# Altium PCB Rear Power Distibution.PcbDoc (part 1 of 3) (continued)
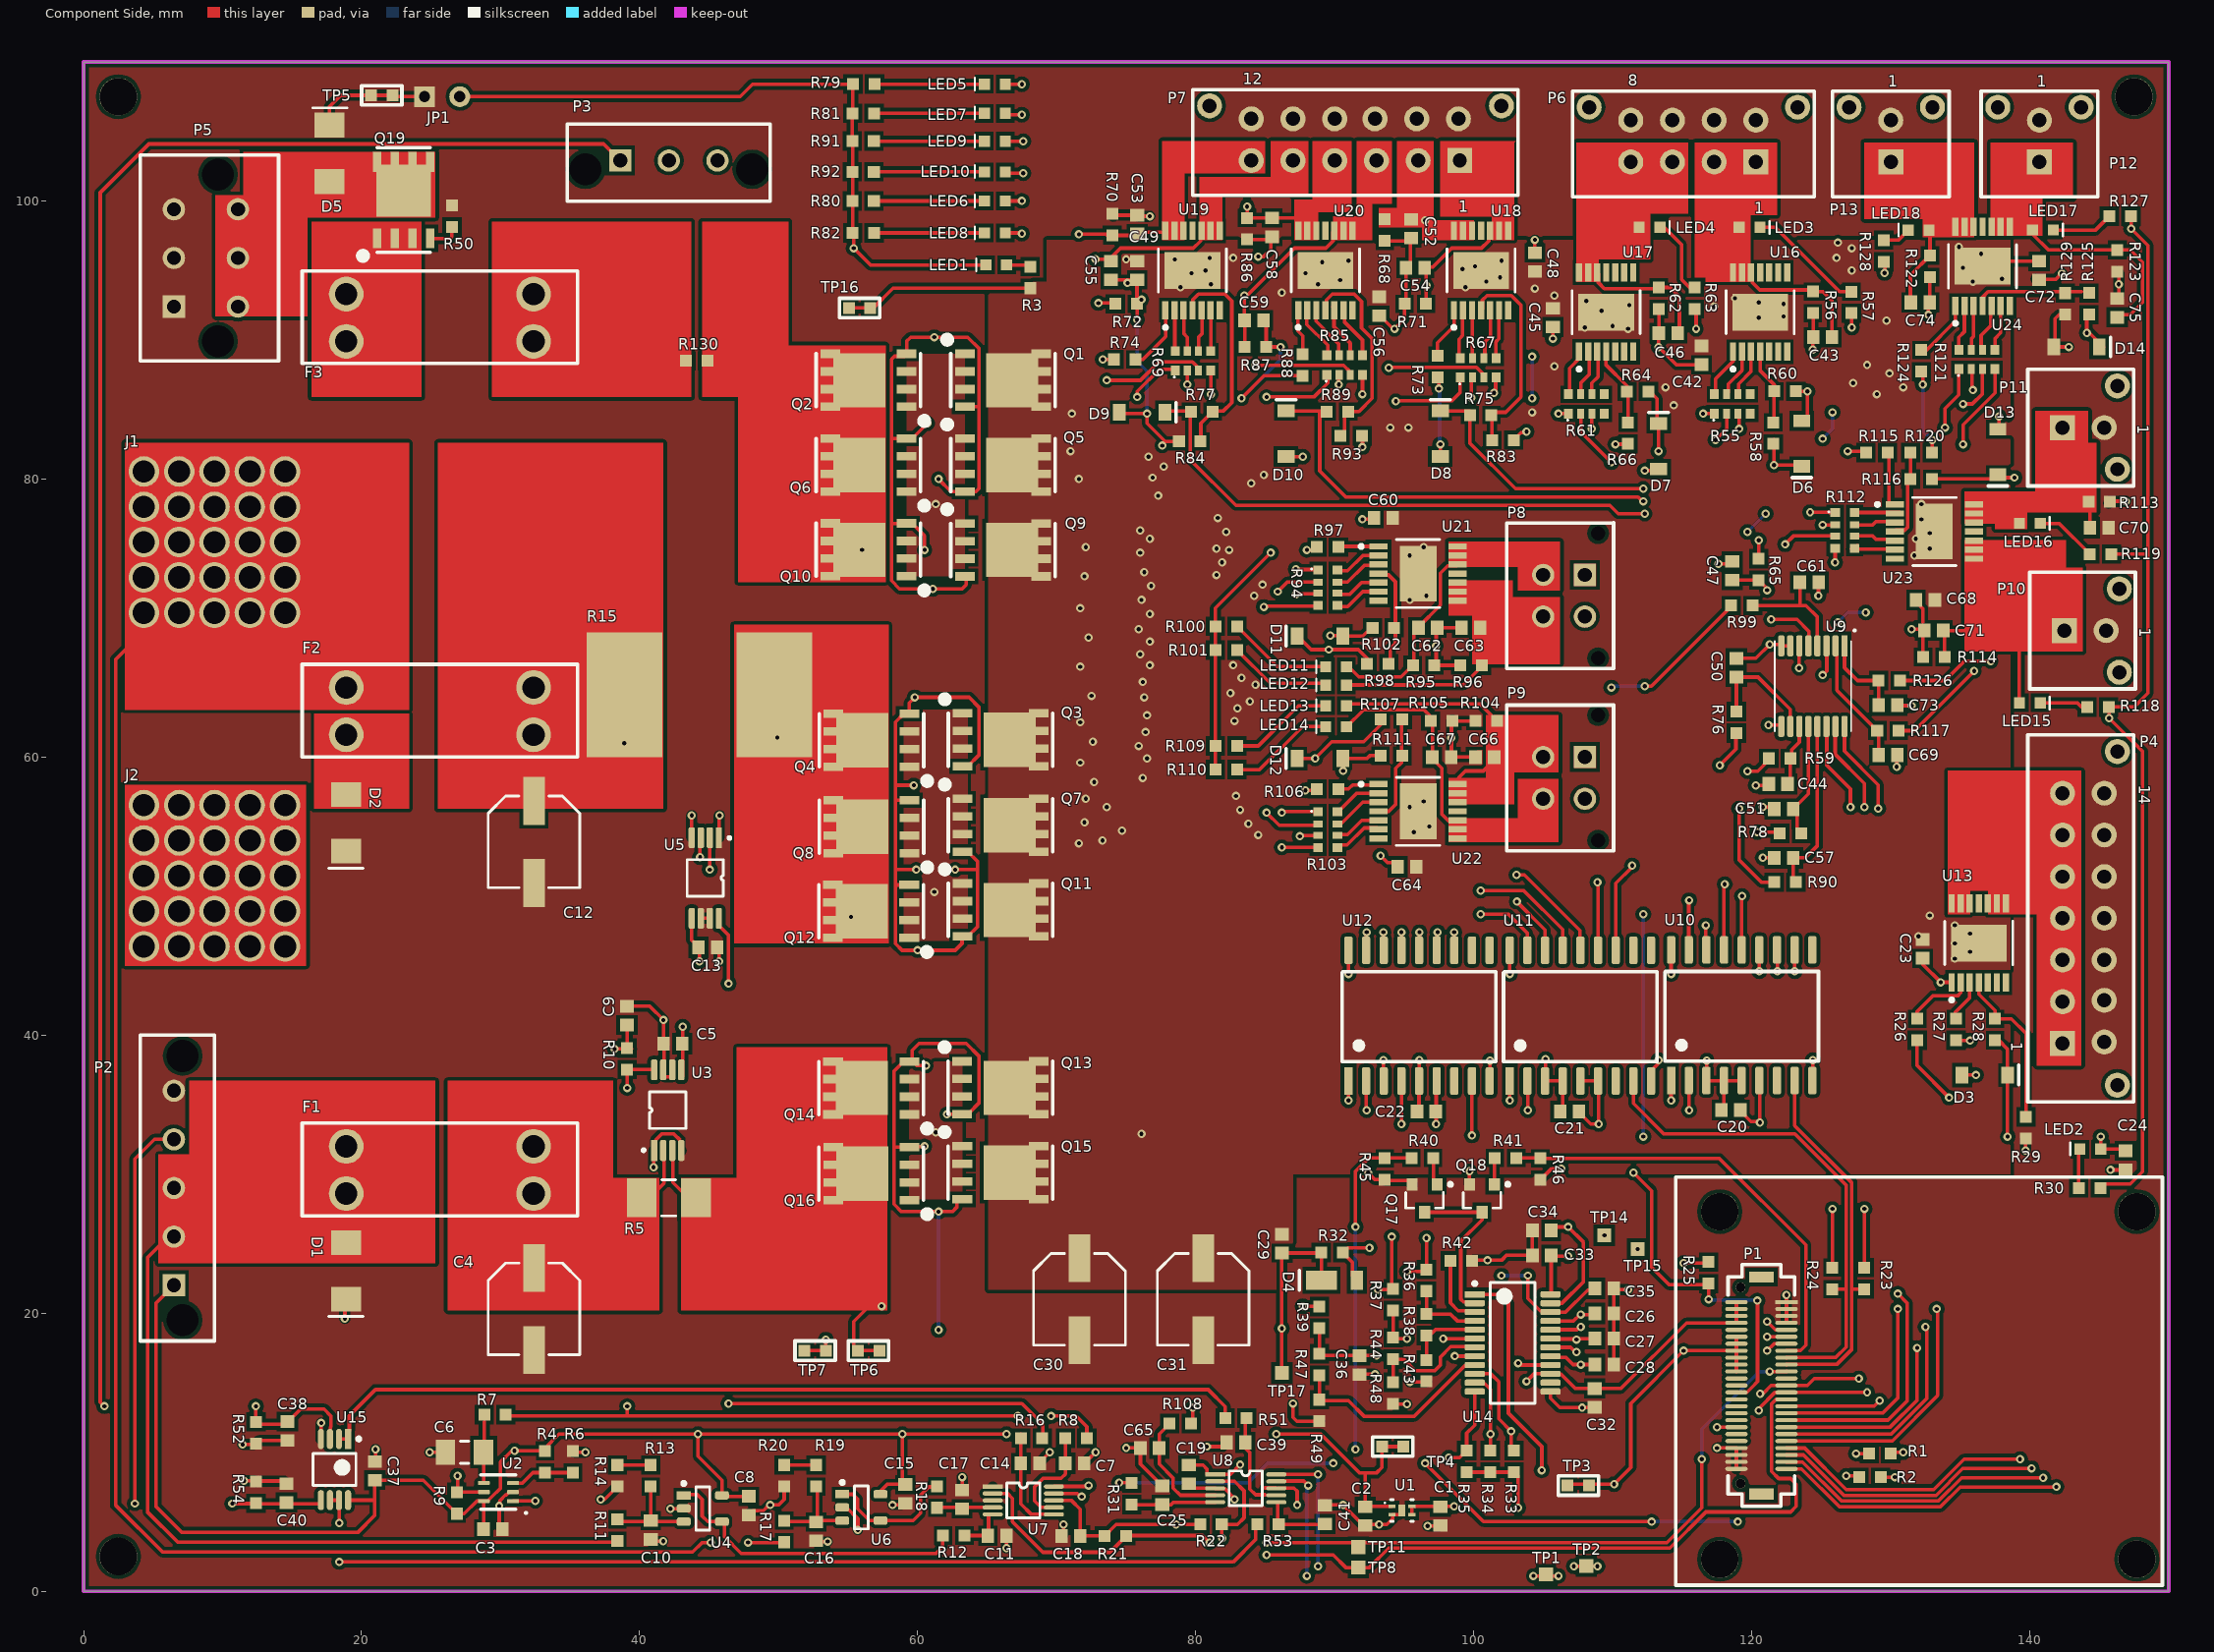
[diagram p0: Component Side view]
## Components (designator, comment, footprint, x,y, rotation, side; value= is the part's Value field where it differs from the comment) (continued)
R58 "RES 4.7K OHM 1% 1/10W 0603" "RES, 0603" 121.546,83.3 r270 top
R59 "RES 4.7K OHM 1% 1/10W 0603" "RES, 0603" 122,59.9 r180 top
R60 "RES 1.21K OHM 1% 1/10W 0603" "RES, 0603" 122.4,86.306 r0 top
R61 "RES ARRAY 4 RES 4.7K OHM 1206" "RES ARRAY 4RES 1206" 108.1,85.4 r90 top
R62 "RES 47K OHM 1% 1/10W 0603" "RES, 0603" 113.309,93.004 r270 top
R63 "RES 10K OHM 1% 1/10W 0603" "RES, 0603" 115.9,93 r270 top
R64 "RES 4.7K OHM 1% 1/10W 0603" "RES, 0603" 111.8,86.3 r0 top
R65 "RES 4.7K OHM 1% 1/10W 0603" "RES, 0603" 120.5,73.5 r90 top
R66 "RES 1.21K OHM 1% 1/10W 0603" "RES, 0603" 111.1,83.3 r270 top
R67 "RES ARRAY 4 RES 4.7K OHM 1206" "RES ARRAY 4RES 1206" 100.329,88 r90 top
R68 "RES 47K OHM 1% 1/10W 0603" "RES, 0603" 93.6,97.9 r270 top
R69 "RES ARRAY 4 RES 4.7K OHM 1206" "RES ARRAY 4RES 1206" 79.8,88.5 r90 top
R70 "RES 47K OHM 1% 1/10W 0603" "RES, 0603" 74,98.304 r90 top
R71 "RES 47K OHM 1% 1/10W 0603" "RES, 0603" 95.8,92.6 r180 top
R72 "RES 47K OHM 1% 1/10W 0603" "RES, 0603" 75,92.6 r0 top
R73 "RES 47K OHM 1% 1/10W 0603" "RES, 0603" 97.4,88.1 r270 top
R74 "RES 47K OHM 1% 1/10W 0603" "RES, 0603" 74.9,88.6 r180 top
R75 "RES 4.7K OHM 1% 1/10W 0603" "RES, 0603" 100.5,84.6 r0 top
R76 "RES 4.7K OHM 1% 1/10W 0603" "RES, 0603" 118.9,62.5 r270 top
R77 "RES 4.7K OHM 1% 1/10W 0603" "RES, 0603" 80.446,84.85 r0 top
R78 "RES 4.7K OHM 1% 1/10W 0603" "RES, 0603" 122.8,54.509 r180 top
R79 "RES 10K OHM 1% 1/10W 0603" "RES, 0603" 56.125,108.41 r180 top
R80 "RES 10K OHM 1% 1/10W 0603" "RES, 0603" 56.075,100 r180 top
R81 "RES 10K OHM 1% 1/10W 0603" "RES, 0603" 56.1,106.3 r180 top
R82 "RES 10K OHM 1% 1/10W 0603" "RES, 0603" 56.1,97.7 r180 top
R83 "RES 1.21K OHM 1% 1/10W 0603" "RES, 0603" 102.1,82.8 r0 top
R84 "RES 1.21K OHM 1% 1/10W 0603" "RES, 0603" 79.575,82.7 r180 top
R85 "RES ARRAY 4 RES 4.7K OHM 1206" "RES ARRAY 4RES 1206" 90.72,88.2 r90 top
R86 "RES 47K OHM 1% 1/10W 0603" "RES, 0603" 83.7,98 r270 top
R87 "RES 47K OHM 1% 1/10W 0603" "RES, 0603" 84.3,89.5 r0 top
R88 "RES 47K OHM 1% 1/10W 0603" "RES, 0603" 87.7,88.2 r270 top
R89 "RES 4.7K OHM 1% 1/10W 0603" "RES, 0603" 90.2,84.85 r0 top
R90 "RES 4.7K OHM 1% 1/10W 0603" "RES, 0603" 122.4,51 r180 top
R91 "RES 10K OHM 1% 1/10W 0603" "RES, 0603" 56.075,104.31 r180 top
R92 "RES 10K OHM 1% 1/10W 0603" "RES, 0603" 56.075,102.1 r180 top
R93 "RES 1.21K OHM 1% 1/10W 0603" "RES, 0603" 91.2,83.1 r0 top
R94 "RES ARRAY 4 RES 4.7K OHM 1206" "RES ARRAY 4RES 1206" 89.5,72.179 r0 top
R95 "RES 47K OHM 1% 1/10W 0603" "RES, 0603" 96.4,66.6 r0 top
R96 "RES 47K OHM 1% 1/10W 0603" "RES, 0603" 99.8,66.6 r180 top
R97 "RES 47K OHM 1% 1/10W 0603" "RES, 0603" 89.5,75.109 r180 top
R98 "RES 4.7K OHM 1% 1/10W 0603" "RES, 0603" 93.11,66.7 r0 top
R99 "RES 4.7K OHM 1% 1/10W 0603" "RES, 0603" 119.3,70.9 r180 top
R100 "RES 10K OHM 1% 1/10W 0603" "RES, 0603" 82.2,69.404 r180 top
R101 "RES 10K OHM 1% 1/10W 0603" "RES, 0603" 82.2,67.7 r180 top
R102 "RES 1.21K OHM 1% 1/10W 0603" "RES, 0603" 93.5,69.3 r180 top
R103 "RES ARRAY 4 RES 4.7K OHM 1206" "RES ARRAY 4RES 1206" 89.5,54.771 r0 top
R104 "RES 47K OHM 1% 1/10W 0603" "RES, 0603" 100.9,62.6 r180 top
R105 "RES 47K OHM 1% 1/10W 0603" "RES, 0603" 97.696,62.6 r0 top
R106 "RES 47K OHM 1% 1/10W 0603" "RES, 0603" 89.5,57.7 r180 top
R107 "RES 4.7K OHM 1% 1/10W 0603" "RES, 0603" 94.1,62.7 r0 top
R108 "RES 4.7K OHM 1% 1/10W 0603" "RES, 0603" 78.9,12.054 r0 top
R109 "RES 10K OHM 1% 1/10W 0603" "RES, 0603" 82.2,60.804 r180 top
R110 "RES 10K OHM 1% 1/10W 0603" "RES, 0603" 82.2,59.1 r180 top
R111 "RES 1.21K OHM 1% 1/10W 0603" "RES, 0603" 94.075,60.1 r180 top
R112 "RES ARRAY 4 RES 4.7K OHM 1206" "RES ARRAY 4RES 1206" 126.7,76.3 r0 top
R113 "RES 47K OHM 1% 1/10W 0603" "RES, 0603" 145,78.358 r0 top
R114 "RES 47K OHM 1% 1/10W 0603" "RES, 0603" 133.1,67.2 r180 top
R115 "RES 47K OHM 1% 1/10W 0603" "RES, 0603" 128.996,81.9 r180 top
R116 "RES 4.7K OHM 1% 1/10W 0603" "RES, 0603" 132.2,80 r180 top
R117 "RES 4.7K OHM 1% 1/10W 0603" "RES, 0603" 129.8,61.9 r0 top
R118 "RES 10K OHM 1% 1/10W 0603" "RES, 0603" 144.9,63.6 r0 top
R119 "RES 10K OHM 1% 1/10W 0603" "RES, 0603" 145.1,74.6 r0 top
R120 "RES 1.21K OHM 1% 1/10W 0603" "RES, 0603" 132.2,81.9 r0 top
R121 "RES ARRAY 4 RES 4.7K OHM 1206" "RES ARRAY 4RES 1206" 136.2,88.6 r90 top
R122 "RES 47K OHM 1% 1/10W 0603" "RES, 0603" 132.825,95.295 r270 top
R123 "RES 47K OHM 1% 1/10W 0603" "RES, 0603" 146.3,95.7 r270 top
R124 "RES 47K OHM 1% 1/10W 0603" "RES, 0603" 132.2,88.5 r270 top
R125 "RES 4.7K OHM 1% 1/10W 0603" "RES, 0603" 144.259,92.6 r90 top
R126 "RES 4.7K OHM 1% 1/10W 0603" "RES, 0603" 129.9,65.496 r0 top
R127 "RES 10K OHM 1% 1/10W 0603" "RES, 0603" 146.5,98.9 r0 top
R128 "RES 10K OHM 1% 1/10W 0603" "RES, 0603" 129.5,96.4 r270 top
R129 "RES 1.21K OHM 1% 1/10W 0603" "RES, 0603" 142.554,92.596 r270 top
R130 "RES 0.0 OHM 1/4W 0603" "RES, 0603" 44.1,88.5 r0 top
TP1 "Test Point" "Test Point" 105.2,1.2 r90 top
TP2 "Test Point" "Test Point" 108.1,1.8 r90 top
TP3 "Test Point 0603 SMD" "TEST POINT 0603 SMD" 108.3,7.6 r180 top
TP4 "Test Point 0603 SMD" "TEST POINT 0603 SMD" 93.4,10.4 r0 top
TP5 "Test Point 0603 SMD" "TEST POINT 0603 SMD" 22.226,107.6 r180 top
TP6 "Test Point 0603 SMD" "TEST POINT 0603 SMD" 57.25,17.3 r180 top
TP7 "Test Point 0603 SMD" "TEST POINT 0603 SMD" 53.4,17.3 r180 top
TP8 "Test Point" "Test Point" 91.7,1.712 r90 top
TP11 "Test Point" "Test Point" 91.7,3.169 r90 top
TP14 "Test Point" "Test Point" 109.4,25.6 r90 top
TP15 "Test Point" "Test Point" 111.8,24.6 r90 top
TP16 "Test Point 0603 SMD" "TEST POINT 0603 SMD" 56.6,92.3 r180 top
TP17 "Test Point" "Test Point" 86.2,15.7 r90 top
U1 "IC REG LDO 3V 0.2A 4-TDFN" "IC REG LDO 3V 0.2A 4-TDFN" 94.114,6.1 r270 top
U2 "IC COMP TTL/CMOS 1CHAN SC70-6" "6-Lead Plastic SC70" 29.844,7.131 r90 top
U3 "50V/V" "IC CURRENT AMPLIFIER INA240 TSSOP-8" 41.05,31.7 r90 top
U4 "IC OP AMP GEN PURPOSE RR 10MHZ SOT-23-5" "IC OP AMP GP RR 10MHZ SOT-23-5" 44.55,5.95 r0 top
U5 "100V/V" "IC CURRENT AMPLIFIER INA240 TSSOP-8" 45.7,54.2 r270 top
U6 "IC OP AMP GEN PURPOSE RR 10MHZ SOT-23-5" "IC OP AMP GP RR 10MHZ SOT-23-5" 55.954,6.025 r0 top
U7 "Quad ADC" "IC ADC VSSOP10" 65.402,7.527 r0 top
U8 "Quad ADC" "IC ADC VSSOP10" 81.4,8.4 r0 top
U9 "IC MUX/DMUX 8X1 16TSSOP" 16-TSSOP 124.4,65.1 r180 top
U10 "MCP23008" "IC 18SOIC" 114.2,36.731 r0 top
U11 "MCP23008" "IC 18SOIC" 102.594,36.7 r0 top
U12 "MCP23008" "IC 18SOIC" 90.988,36.7 r0 top
U13 "IC LOAD SWITCH BTS70041EPPXUMA1CT-ND_1" "IC LOAD SWITCH PG-TSDSO-14-22" 136.331,46.627 r90 top
U14 "IC OR CONTROLLER SOURCE SELECT 24SSOP" "IC OR CTRLR SRC SELECT 24SSOP" 102.8,17.857 r0 top
U15 "IC OP AMP DUAL GP RR 10MHZ 8-VSSOP" "IC DUAL OPAMP OPA2197 8-VSSOP" 18.05,8.75 r270 top
U16 "IC LOAD SWITCH BTS70401EPA PG-TSDSO-14-22" "IC LOAD SWITCH PG-TSDSO-14-22" 120.6,92 r90 top
U17 "IC LOAD SWITCH BTS70401EPA PG-TSDSO-14-22" "IC LOAD SWITCH PG-TSDSO-14-22" 109.529,92 r90 top
U18 "IC LOAD SWITCH BTS7200-2EPA PG-TSDSO-14_1" "IC LOAD SWITCH PG-TSDSO-14-22" 100.529,95 r90 top
U19 "IC LOAD SWITCH BTS7200-2EPA PG-TSDSO-14_1" "IC LOAD SWITCH PG-TSDSO-14-22" 79.771,95 r90 top
U20 "IC LOAD SWITCH BTS7200-2EPA PG-TSDSO-14_1" "IC LOAD SWITCH PG-TSDSO-14-22" 89.329,95 r90 top
U21 "IC LOAD SWITCH BTS7200-2EPA PG-TSDSO-14_1" "IC LOAD SWITCH PG-TSDSO-14-22" 96,73.2 r0 top
U22 "IC LOAD SWITCH BTS7200-2EPA PG-TSDSO-14_1" "IC LOAD SWITCH PG-TSDSO-14-22" 96,56.1 r0 top
U23 "IC LOAD SWITCH BTS7200-2EPA PG-TSDSO-14_1" "IC LOAD SWITCH PG-TSDSO-14-22" 133.139,76.221 r0 top
U24 "IC LOAD SWITCH BTS7200-2EPA PG-TSDSO-14_1" "IC LOAD SWITCH PG-TSDSO-14-22" 136.604,95.3 r90 top

## Footprints (in the part's own frame and the unit in brackets; to place one, negate y for a bottom-side part, rotate by r counter-clockwise, add the part's x,y. Pads: shape width x height; smd on the part's side, far side on the other; paste and mask are expansions set on the pad)
"6-Lead Plastic SC70" [mm]
  rect 0.3x0.85 smd: 1(-0.65,-1.05)
  rrect50% 0.3x0.85 smd: 2(0,-1.05) 3(0.65,-1.05) 4(0.65,1.05) 5(0,1.05) 6(-0.65,1.05)
  silkscreen extent -1.52,-2 1.25,1.25, body extent -1.1,-1.19 1.11,1.19, height 1.09
16-TSSOP [mm]
  rect 0.45x1.5 smd: 1(-2.275,-2.9)
  rrect50% 0.45x1.5 smd: 2(-1.625,-2.9) 3(-0.975,-2.9) 4(-0.325,-2.9) 5(0.325,-2.9) 6(0.975,-2.9) 7(1.625,-2.9) 8(2.275,-2.9) 9(-2.275,2.9) 10(-1.625,2.9) 11(-0.975,2.9) 12(-0.325,2.9) 13(0.325,2.9) 14(0.975,2.9) 15(1.625,2.9) 16(2.275,2.9)
  silkscreen extent -3.07,-4.07 2.75,3.25, body extent -2.55,-3.3 2.55,3.3, height 1.2
"CAP ALUM 6.3MM RADIAL SMD" [mm] "Aluminum Electrolytic Capacitor, Body 6.50x6.50x5.50mm, IPC Low Density"
  rect 3.45x1.55 smd: 1(-2.95,0) 2(2.95,0)
  silkscreen extent -3.3,-3.3 3.3,3.3, body extent -3.9,-3.3 3.9,3.3, height 5.5
"CAP, 0603" [mm] "Chip Capacitor, 2-Leads, Body 1.60x0.81mm, IPC Medium Density"
  rect 0.9x1 smd mask+0.076: 1(-0.675,0) 2(0.675,0)
  body extent -0.87,-0.48 0.87,0.48, height 0.9
"CAP, 1206" [mm] "Chip Capacitor, 2-Leads, Body 3.20x1.60mm, IPC Medium Density"
  rect 1.4x1.8 smd: 1(-1.375,0) 2(1.375,0)
  silkscreen extent -0.3,-0.8 0.3,0.8, body extent -1.68,-0.87 1.67,0.87, height 1.8
"CONN 4POS MICROFIT (2x2)" [mm]
  round 1.6 hole 1.02: 1(0,0) 2(-3,0) 3(0,3)
  rect 1.6x1.6 hole 1.02: 4(-3,3)
  round 0 hole 1.02: ""(-6,3.94) ""(3,3.94)
  silkscreen extent -6.75,-2.63 3.75,5.06, body extent -6.57,-2.47 3.57,6.29, height 9.91
"CONN, 2POS JUMPER 0.1\"" [mm]
  rect 1.5x1.5 hole 0.8: 1(0,0)
  round 1.5 hole 0.8: 2(2.54,0)
  body extent -1.24,-1.27 3.84,1.27, height 9.25
"CONN, 2POS MICRO-FIT" [mm]
  round 1.8 hole 1.02: 0(-3,3.94) 0(3,3.94) 2(0,3)
  rect 1.8x1.8 hole 1.02: 1(0,0)
  silkscreen extent -4.2,-2.5 4.2,5.1, body extent -3.57,-2.47 3.58,6.3, height 9.95
"CONN, 3POS ULTRA-FIT" [mm]
  rect 1.6x1.6 hole 1.02: 1(0,0)
  round 1.6 hole 1.02: 2(3.5,0) 3(7,0)
  round 0 hole 2.3: ""(-2.5,-0.63) ""(9.5,-0.63)
  silkscreen extent -3.8,-2.93 10.8,2.62, body extent -3.55,-2.67 10.55,5.99, height 13.85
"CONN, 5POS ULTRA-FIT" [mm]
  rect 1.6x1.6 hole 1.02: 1(0,0)
  round 1.6 hole 1.02: 2(3.5,0) 3(7,0) 4(10.5,0) 5(14,0)
  round 0 hole 2.3: ""(-2.5,-0.63) ""(16.5,-0.63)
  silkscreen extent -4,-2.93 18,2.42, body extent -3.56,-2.84 17.54,5.82, height 13.85
"CONN, 6POS ULTRA-FIT" [mm]
  rect 1.6x1.6 hole 1.02: 1(0,0)
  round 1.6 hole 1.02: 2(3.5,0) 3(7,0) 4(0,-4.6) 5(3.5,-4.6) 6(7,-4.6)
  round 0 hole 2.3: ""(-2.5,-3.18) ""(9.5,-3.18)
  silkscreen extent -3.9,-7.53 10.9,2.42, body extent -3.55,-8.25 10.55,5.66, height 13.9
"CONN, 8POS MICRO-FIT" [mm]
  round 1.8 hole 1.02: 0(-12,3.94) 0(3,3.94) 2(-3,0) 3(-6,0) 4(-9,0) 5(0,3) 6(-3,3) 7(-6,3) 8(-9,3)
  rect 1.8x1.8 hole 1.02: 1(0,0)
  silkscreen extent -13.2,-2.5 4.2,5.1, body extent -12.65,-2.48 3.5,6.29, height 9.95
"CONN, 12POS MICRO-FIT 3mm" [mm]
  round 1.8 hole 1.02: 0(-18,3.94) 0(3,3.94) 2(-3,0) 3(-6,0) 4(-9,0) 5(-12,0) 6(-15,0) 7(-0.1,3) 8(-3.1,3) 9(-6.1,3) 10(-9,3) 11(-12,3) 12(-15,3)
  rect 1.8x1.8 hole 1.02: 1(0,0)
  silkscreen extent -19.2,-2.5 4.2,5.1, body extent -18.57,-2.5 3.58,6.27, height 9.95
"CONN, 14POS MICRO-FIT 3mm" [mm]
  round 1.8 hole 1.02: 0(-21,3.94) 0(3,3.94) 2(-3,0) 3(-6,0) 4(-9,0) 5(-12,0) 6(-15,0) 7(-18,0) 8(-0.1,3) 9(-3.1,3) 10(-6,3) 11(-9,3) 12(-12,3) 13(-15,3) 14(-18,3)
  rect 1.8x1.8 hole 1.02: 1(0,0)
  silkscreen extent -22.2,-2.5 4.2,5.1, body extent -21.75,-2.48 3.4,6.28, height 9.95
"CONN, Bergstak 50 Pos Plug" [mm] "Bergstak 50 Position Plug"
  rect 1.6x0.3 smd: 1(1.8,6)
  oval 1.6x0.3 smd: 2(1.8,5.5) 3(1.8,5) 4(1.8,4.5) 5(1.8,4) 6(1.8,3.5) 7(1.8,3) 8(1.8,2.5) 9(1.8,2) 10(1.8,1.5) 11(1.8,1) 12(1.8,0.5) 13(1.8,0) 14(1.8,-0.5) 15(1.8,-1) 16(1.8,-1.5) 17(1.8,-2) 18(1.8,-2.5) 19(1.8,-3) 20(1.8,-3.5) 21(1.8,-4) 22(1.8,-4.5) 23(1.8,-5) 24(1.8,-5.5) 25(1.8,-6) 26(-1.8,-6) 27(-1.8,-5.5) 28(-1.8,-5) 29(-1.8,-4.5) 30(-1.8,-4) 31(-1.8,-3.5) 32(-1.8,-3) 33(-1.8,-2.5) 34(-1.8,-2) 35(-1.8,-1.5) 36(-1.8,-1) 37(-1.8,-0.5) 38(-1.8,0) 39(-1.8,0.5) 40(-1.8,1) 41(-1.8,1.5) 42(-1.8,2) 43(-1.8,2.5) 44(-1.8,3) 45(-1.8,3.5) 46(-1.8,4) 47(-1.8,4.5) 48(-1.8,5) 49(-1.8,5.5) 50(-1.8,6)
  round 0.7 hole 0.7: ""(-1.5,-7.05) ""(-1.5,7.05)
  rect 1.8x0.8 smd: ""(0,-7.8) ""(0,7.8)
  silkscreen extent -2.4,-8.7 2.4,8.7, body extent -2.3,-7.75 2.3,7.75, height 4.2
"DIODE SCHOTTKY 30V 1A POWERDI123" [mm] "Diodes Incorporated DFLS130L-7"
  rect 0.9x1.4 smd: 1(0,0)
  rect 2.2x1.4 smd: 2(2.55,0)
  silkscreen extent 4.15,-0.7 4.15,0.7, body extent -0.27,-0.88 3.42,0.9, height 0.98
"DIODE SOD123" [mm]
  rect 0.91x1.22 smd: 1(0,0) 2(3.28,0)
  silkscreen extent -0.8,-0.7 -0.8,0.7, body extent -0.22,-0.9 3.49,0.9, height 1.35
"DO-214AA Diode" [mil] "Zener Diode 16V 5W SMBJ5353B-TP"
  rect 70x85 smd: 1(0,0) 2(160,0)
  silkscreen extent 209,-50 209,47, body extent -21,-60 187,55, height 95
"FUSE ATO/ATC FUSE HOLDER" [mm]
  round 2.5 hole 1.6: 1(0,0) 2(13.47,0) 3(0,-3.4) 4(13.47,-3.4)
  silkscreen extent -3.18,-4.99 16.64,1.67, body extent -3.23,-4.98 16.58,1.75, height 19.1
"IC 18SOIC" [mm]
  rect 0.6x2 smd: 1(0,0)
  rrect50% 0.6x2 smd: 2(1.27,0) 3(2.54,0) 4(3.81,0) 5(5.08,0) 6(6.35,0) 7(7.62,0) 8(8.89,0) 9(10.16,0) 10(10.16,9.4) 11(8.89,9.4) 12(7.62,9.4) 13(6.35,9.4) 14(5.08,9.4) 15(3.81,9.4) 16(2.54,9.4) 17(1.27,9.4) 18(0,9.4)
  silkscreen extent -0.45,1.4 10.6,7.85, body extent -0.62,-0.38 10.72,9.78, height 2
"IC ADC VSSOP10" [mm]
  rect 1.45x0.3 smd: 1(0,0)
  oval 1.45x0.3 smd: 2(0,-0.5) 3(0,-1) 4(0,-1.5) 5(0,-2) 6(4.4,-2) 7(4.4,-1.5) 8(4.4,-1) 9(4.4,-0.5) 10(4.4,0)
  silkscreen extent 1,-2.25 3.4,0.25, body extent -0.25,-2.5 4.65,0.5, height 1.15
"IC CURRENT AMPLIFIER INA240 TSSOP-8" [mm]
  rect 1.5x0.45 smd: 1(0,0)
  rrect50% 1.5x0.45 smd: 2(0,-0.65) 3(0,-1.3) 4(0,-1.95) 5(5.8,-1.95) 6(5.8,-1.3) 7(5.8,-0.65) 8(5.8,0)
  silkscreen extent -0.06,-2.28 4.22,0.84, body extent -0.28,-2.52 6.22,0.58, height 1.2
"IC DUAL OPAMP OPA2197 8-VSSOP" [mm] "TSOP, 8-Leads, Body 3.00x3.00mm, Pitch 0.65mm, IPC Medium Density"
  rect 1.45x0.45 smd: 1(-2.2,0.975)
  oval 1.45x0.45 smd: 2(-2.2,0.325) 3(-2.2,-0.325) 4(-2.2,-0.975) 5(2.2,-0.975) 6(2.2,-0.325) 7(2.2,0.325) 8(2.2,0.975)
  silkscreen extent -2.32,-1.55 1.15,1.88, body extent -2.45,-1.55 2.45,1.55, height 1.1
"IC LOAD SWITCH PG-TSDSO-14-22" [mm] "SOP,0.65mm pitch;14 pin,3.90mm W X 4.90mm L X 1.15mm H body (w/thermal tab)"
  rect 1.31x0.45 smd paste+0 mask+0: 1(-2.85,1.95) 2(-2.85,1.3) 3(-2.85,0.65) 4(-2.85,0) 5(-2.85,-0.65) 6(-2.85,-1.3) 7(-2.85,-1.95) 8(2.85,-1.95) 9(2.85,-1.3) 10(2.85,-0.65) 11(2.85,0) 12(2.85,0.65) 13(2.85,1.3) 14(2.85,1.95)
  rect 2.65x4 smd paste-2.65 mask+0: 15(0,0)
  silkscreen extent -4.22,-2.45 1.55,2.45, body extent -3,-2.45 3,2.45, height 1.16
"IC OP AMP GP RR 10MHZ SOT-23-5" [mm] "SOT23, 5-Leads, Body 2.90x2.80mm, Pitch 0.95mm, IPC Medium Density"
  rect 1x0.6 smd: 1(-1.375,0.95)
  rrect50% 1x0.6 smd: 2(-1.375,0) 3(-1.375,-0.95) 4(1.375,-0.95) 5(1.375,0.95)
  silkscreen extent -1.5,-1.55 0.5,1.92, body extent -1.5,-1.53 1.5,1.53, height 1.45
"IC OR CTRLR SRC SELECT 24SSOP" [mm] "LTC4417"
  rect 1.45x0.45 smd: 1(-2.725,3.492)
  rrect50% 1.45x0.45 smd: 2(-2.725,2.857) 3(-2.725,2.222) 4(-2.725,1.587) 5(-2.725,0.953) 6(-2.725,0.318) 7(-2.725,-0.318) 8(-2.725,-0.953) 9(-2.725,-1.587) 10(-2.725,-2.222) 11(-2.725,-2.857) 12(-2.725,-3.492) 13(2.725,-3.492) 14(2.725,-2.857) 15(2.725,-2.222) 16(2.725,-1.587) 17(2.725,-0.953) 18(2.725,-0.318) 19(2.725,0.318) 20(2.725,0.953) 21(2.725,1.587) 22(2.725,2.222) 23(2.725,2.857) 24(2.725,3.492)
  silkscreen extent -2.85,-4.35 1.6,4.39, body extent -3,-4.35 3,4.35, height 1.75
"IC REG LDO 3V 0.2A 4-TDFN" [mm] "QFN, 4-Leads, Body 1.20x1.60mm, Pitch 0.50mm/1.40mm, Thermal Pad 0.86x0.50mm, IPC Medium Density"
  rect 0.25x0.5 smd: 1(0,0) 2(0.6,0) 3(0.6,1.44) 4(0,1.44)
  rect 0.86x0.5 smd: 5(0.3,0.715)
  silkscreen extent -0.48,-0.56 1.07,1.54, body extent -0.33,-0.11 0.92,1.54, height 0.6
LED_0603 [mm]
  rect 0.8x0.8 smd: 1(-0.05,0.01) 2(1.45,0.01)
  silkscreen extent 2.13,-0.46 2.13,0.45, body extent -0.09,-0.39 1.51,0.41, height 0.8
"MOSFET N-CH 30V 6.2A 0.9W SOT-23" [mm] "SOT23, 3-Leads, Body 2.90x2.40mm, Pitch 0.90mm, IPC Medium Density"
  rect 0.9x0.8 smd: 1(-1,0.9) 2(-1,-0.9) 3(1,0)
  silkscreen extent -1.12,-1.35 0.7,1.98, body extent -1.25,-1.5 1.25,1.5, height 1.1
"PMOS PWR56 40V 4.9 MOHM" [mm] "Mosfet Array 2 P-Channel (Dual) 30V 60A 46W Surface Mount PowerPAK?SO-8 Dual"
  rect 1.42x0.61 smd: 1(0,0) 2(0,-1.27) 3(0,-2.54) 4(0,-3.81) 5(5.49,-3.81) 6(5.49,-2.54) 7(5.49,-1.27) 8(5.49,0)
  rect 3.75x3.91 smd: 8(3.405,-1.905)
  silkscreen extent -1.52,-3.81 6.51,1.27, body extent -0.69,-4.32 6.17,0.51, height 1.2
"RES 2010" [mm] "Chip Resistor, 2-Leads, Body 5.08x2.54mm, IPC Medium Density"
  rect 2.15x2.8 smd: 1(-1.95,0) 2(1.95,0)
  silkscreen extent -0.5,-1.3 0.5,1.3, body extent -2.67,-1.4 2.67,1.4, height 1.04
"RES 5931" [mm]
  rect 5.45x9 smd: 1(0,0) 2(10.8,0)
  body extent -2.25,-4 12.75,3.75, height 0.77
"RES ARRAY 4RES 1206" [mm] "Chip Array, Flat, 8-Leads, Pitch 0.80mm,  Body 3.20x1.60mm,  IPC Medium Density"
  rect 0.7x0.64 smd: 1(-0.7,1.28) 4(-0.7,-1.28) 5(0.7,-1.28) 8(0.7,1.28)
  rect 0.7x0.5 smd: 2(-0.7,0.4) 3(-0.7,-0.4) 6(0.7,-0.4) 7(0.7,0.4)
  silkscreen extent -1.21,1.29 -1.11,1.39, body extent -0.81,-1.6 0.69,1.6, height 0.45
"RES, 0603" [mm] "Chip Resistor, 2-Leads, Body 1.60x0.80mm, IPC Medium Density"
  rect 0.85x0.85 smd: 1(-0.775,0) 2(0.775,0)
  body extent -0.8,-0.4 0.8,0.4, height 0.55
"TERM PWR ELEMENT M8 25 PIN PCB" [mm] "25 Pin Shank Terminal M8 Through Hole"
  round 2.2 hole 1.6: 1(-10.16,-7.62) 1(-10.16,-5.08) 1(-10.16,-2.54) 1(-10.16,0) 1(-10.16,2.54) 1(-7.62,-7.62) 1(-7.62,-5.08) 1(-7.62,-2.54) 1(-7.62,0) 1(-7.62,2.54) 1(-5.08,-7.62) 1(-5.08,-5.08) 1(-5.08,-2.54) 1(-5.08,0) 1(-5.08,2.54) 1(-2.54,-7.62) 1(-2.54,-5.08) 1(-2.54,-2.54) 1(-2.54,0) 1(-2.54,2.54) 1(0,-7.62) 1(0,-5.08) 1(0,-2.54) 1(0,0) 1(0,2.54)
  Component Side region: -11.5,4 1.5,4 1.5,-9 -11.5,-9
  silkscreen extent -12,4 -12,4, body extent -11.5,-9.04 1.5,3.96, height 13.6
"Test Point" [mm]
  rect 1x1 smd paste-2: TP(0,0)
"TEST POINT 0603 SMD" [mm]
  rect 0.85x0.85 smd paste-2 mask+0.102: 1(0,0)
  rect 0.85x0.85 smd paste-2: 1(1.55,0)
  silkscreen extent -0.67,-0.7 2.22,0.7, body extent -0.02,-0.45 1.58,0.45, height 1.09

## Part data
C1 C2: "1μF ±10% 50V Ceramic Capacitor X7R 0603 (1608 Metric)", Capacitance=1μF, Manufacturer 1="Taiyo Yuden", Manufacturer Part Number 1=UMK107AB7105KA-T, Operating Temperature="-55°C ~ 125°", Package / Case="0603 (1608 Metric)", Ratings=-, Supplier Part Number 1=587-3247-1-ND, Temperature Coefficient=X7R, Tolerance=±10%, Voltage=50V, ComponentLink1Description=http://www.yuden.co.jp/productdata/catalog/en/mlcc_all_e.pdf, ComponentLink1URL=http://www.yuden.co.jp/productdata/catalog/en/mlcc_all_e.pdf, Height - Seated (Max)=-, Lead Spacing=-, Lead Style=-, Mounting Type="Surface Mount, MLCC", Packaging="Cut Tape (CT)", Part Status=Active, Size / Dimension="0.063\" L x 0.031\" W (1.60mm x 0.80mm)", Supplier 1=Digi-Key, Thickness (Max)="0.037\" (0.95mm)"
C3 C5 C8 C13 C15 C18 C19 C20 C21 C22 C23 C26 C27 C32 C33 C34 C35 C37 C42 C45 C48 C49 C56 C60 C64 C68 C72: "0.10μF ±10% 50V Ceramic Capacitor X7R 0603 (1608 Metric)", Capacitance=0.1μF, Manufacturer 1="AVX Corporation", Manufacturer Part Number 1=06035C104KAT2A, Operating Temperature="-55°C ~ 125°", Package / Case="0603 (1608 Metric)", Ratings=-, Supplier Part Number 1=478-5052-1-ND, Temperature Coefficient=X7R, Tolerance=±10%, Voltage=50V, ComponentLink1Description=http://datasheets.avx.com/X7RDielectric.pdf, ComponentLink1URL=http://datasheets.avx.com/X7RDielectric.pdf, Height - Seated (Max)=-, Lead Spacing=-, Lead Style=-, Mounting Type="Surface Mount, MLCC", Packaging="Cut Tape (CT)", Part Status=Active, Size / Dimension="0.063\" L x 0.032\" W (1.60mm x 0.81mm)", Supplier 1=Digi-Key, Thickness (Max)="0.035\" (0.90mm)"
C4 C12: library part "CAP ALUM 47UF 20% 35V SMD", "47μF 35V Aluminum Electrolytic Capacitors Radial, Can - SMD 1000 Hrs @ 85°C", Capacitance=47uF, Case/Package=Radial, Manufacturer=Panasonic, Manufacturer Part Number=EEE-1VA470WP, Max Operating Temperature=85°C, Min Operating Temperature=-40°C, Package Quantity=1, Ripple Current=70mA, Supplier Part Number 1=PCE3961CT-ND, Tolerance=20%, Voltage Rating=35V, ComponentLink1Description=https://datasheet.ciiva.com/2983/aba0000ce2-2983926.pdf, ComponentLink1URL=https://datasheet.ciiva.com/2983/aba0000ce2-2983926.pdf, ComponentLink2Description=https://datasheet.ciiva.com/2983/aba0000ce2-2983927.pdf, ComponentLink2URL=https://datasheet.ciiva.com/2983/aba0000ce2-2983927.pdf, ComponentLink3Description=https://datasheet.ciiva.com/14598/70255710-14598937.pdf, ComponentLink3URL=https://datasheet.ciiva.com/14598/70255710-14598937.pdf, ComponentLink4Description=https://datasheet.ciiva.com/15165/getdatasheetpartid-86239-15165868.pdf, ComponentLink4URL=https://datasheet.ciiva.com/15165/getdatasheetpartid-86239-15165868.pdf, ComponentLink5Description=https://datasheet.ciiva.com/16507/aba0000ce2-16507965.pdf, ComponentLink5URL=https://datasheet.ciiva.com/16507/aba0000ce2-16507965.pdf, ComponentLink6Description=https://datasheet.ciiva.com/30206/11aba0000ce2-30206253.pdf, ComponentLink6URL=https://datasheet.ciiva.com/30206/11aba0000ce2-30206253.pdf, Contact Plating=Tin, Diameter=6.3mm, Height=5.4mm, Height - Seated (Max)=0.213inch, Lead Free="Lead Free", Length=5.5mm, Life (Hours)=1000Hour, Mount="Surface Mount,PCB", Packaging="Tape and Reel", Pricing 1="1=0.38, 10=0.263, 100=0.1579, 500=0.11846 (USD)", Radiation Hardening=No, REACH SVHC=Unknown, Ripple Current (AC)=70mA, Stock 1=2820, Supplier 1=Digi-Key, Termination=SMD/SMT, Voltage Rating (DC)=35V